# Altium PCB mantarray_beta2_sensor.PcbDoc (part 3 of 5)
Units mm, origin at the board's own origin, x right, y up, seen from the top; angles counter-clockwise.
Board outline 194.65 x 250 mm, 6 copper layers (Top Layer, GND1, Signal1, Int3 (Sign), AVDD, Bottom Layer), stack 1.551 mm thick; 528 components, 0 nets, 3971 pads, 590 vias.
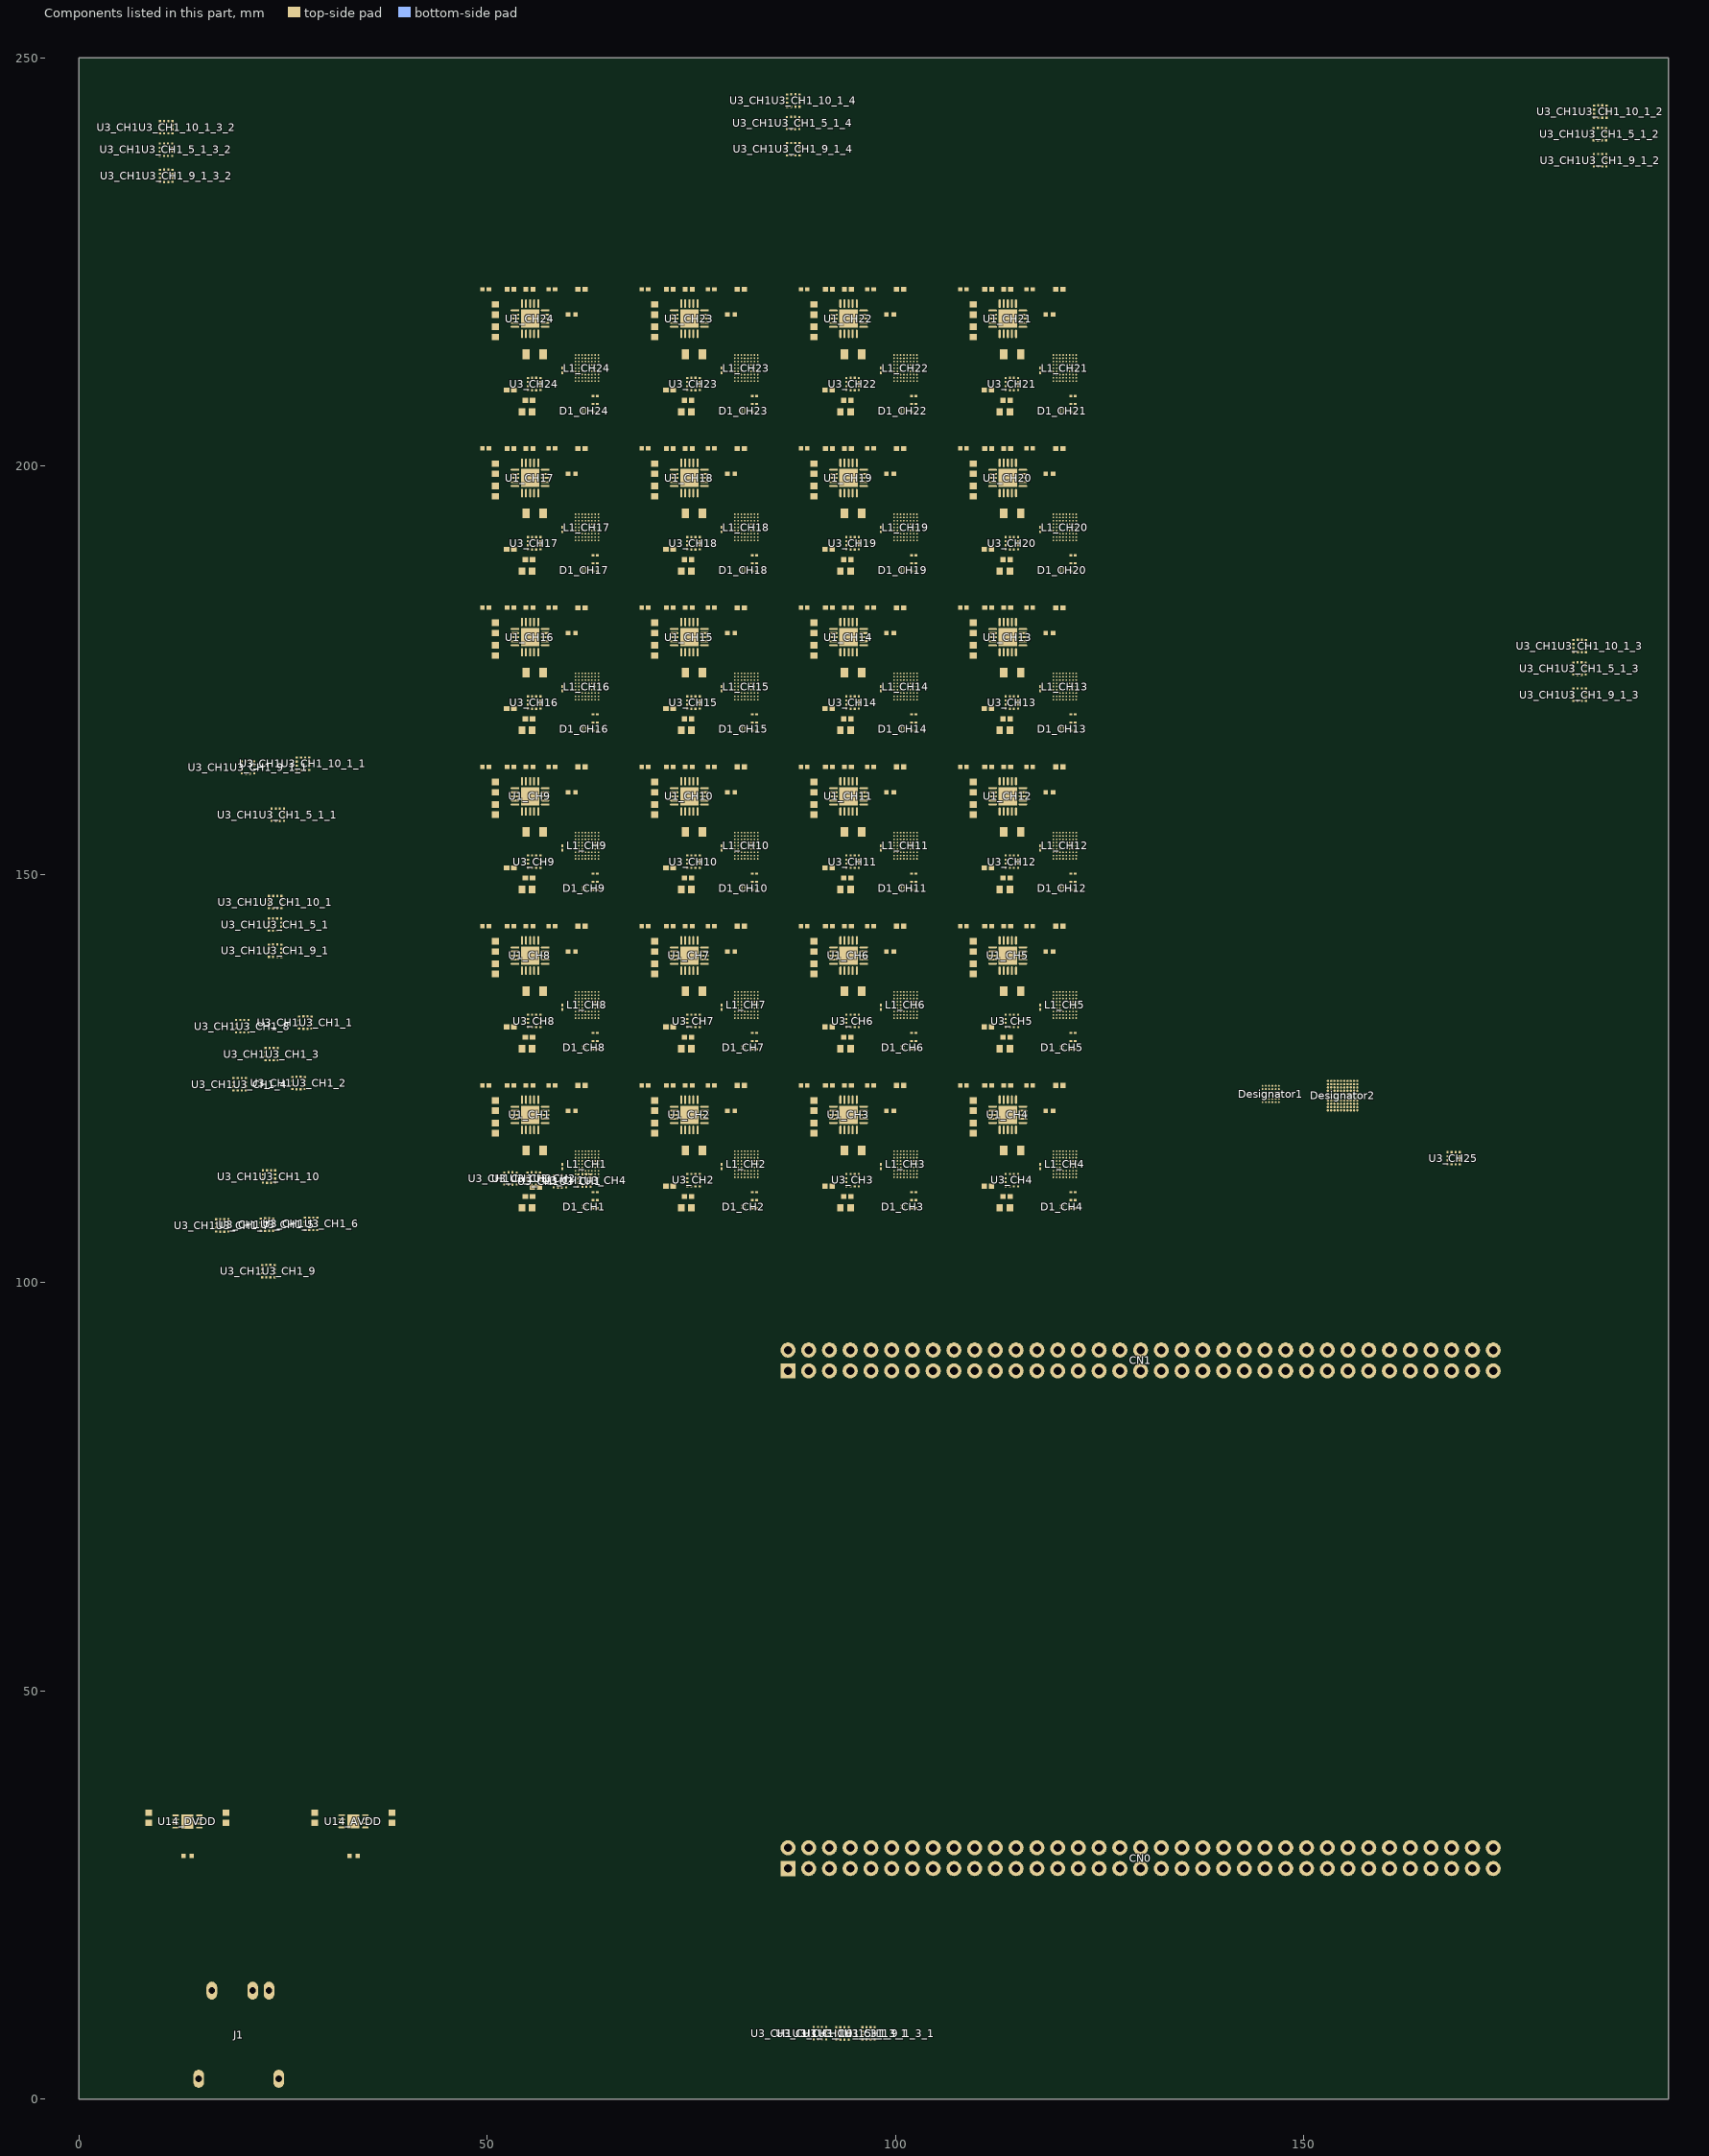
[diagram p6: the components of this part, seen from the top]

## Via types
v1: diameter 0.508, hole 0.203, Top Layer to Bottom Layer, 292 vias
v2: diameter 0.457, hole 0.152, Top Layer to Bottom Layer, 196 vias
v3: diameter 0.5, hole 0.2, Top Layer to Bottom Layer, 100 vias
v4: diameter 1.8, hole 1.2, Top Layer to Bottom Layer, 2 vias

## Nets (pads, with @x,y where several pads share a name; then routed paths per layer and width w, separated by ;. In a path a pad name is that pad's centre, name@x,y a point inside that pad or via, vN(x,y) a via of type N, cw(c..) or ccw(c..) an arc to the next point about the centre after c; other vN are vias at no path point)
pads on no net: C1_CH1.1 C1_CH1.2 C1_CH2.1 C1_CH2.2 C1_CH3.1 C1_CH3.2 C1_CH4.1 C1_CH4.2 C1_CH5.1 C1_CH5.2 C1_CH6.1 C1_CH6.2 C1_CH7.1 C1_CH7.2 C1_CH8.1 C1_CH8.2 C1_CH9.1 C1_CH9.2 C1_CH10.1 C1_CH10.2 C1_CH11.1 C1_CH11.2 C1_CH12.1 C1_CH12.2 C1_CH13.1 C1_CH13.2 C1_CH14.1 C1_CH14.2 C1_CH15.1 C1_CH15.2 C1_CH16.1 C1_CH16.2 C1_CH17.1 C1_CH17.2 C1_CH18.1 C1_CH18.2 C1_CH19.1 C1_CH19.2 C1_CH20.1 C1_CH20.2 C1_CH21.1 C1_CH21.2 C1_CH22.1 C1_CH22.2 C1_CH23.1 C1_CH23.2 C1_CH24.1 C1_CH24.2 C2_CH1.1 C2_CH1.2 C2_CH2.1 C2_CH2.2 C2_CH3.1 C2_CH3.2 C2_CH4.1 C2_CH4.2 C2_CH5.1 C2_CH5.2 C2_CH6.1 C2_CH6.2 C2_CH7.1 C2_CH7.2 C2_CH8.1 C2_CH8.2 C2_CH9.1 C2_CH9.2 C2_CH10.1 C2_CH10.2 C2_CH11.1 C2_CH11.2 C2_CH12.1 C2_CH12.2 C2_CH13.1 C2_CH13.2 C2_CH14.1 C2_CH14.2 C2_CH15.1 C2_CH15.2 C2_CH16.1 C2_CH16.2 C2_CH17.1 C2_CH17.2 C2_CH18.1 C2_CH18.2 C2_CH19.1 C2_CH19.2 C2_CH20.1 C2_CH20.2 C2_CH21.1 C2_CH21.2 C2_CH22.1 C2_CH22.2 C2_CH23.1 C2_CH23.2 C2_CH24.1 C2_CH24.2 C3_CH1.1 C3_CH1.2 C3_CH2.1 C3_CH2.2 C3_CH3.1 C3_CH3.2 C3_CH4.1 C3_CH4.2 C3_CH5.1 C3_CH5.2 C3_CH6.1 C3_CH6.2 C3_CH7.1 C3_CH7.2 C3_CH8.1 C3_CH8.2 C3_CH9.1 C3_CH9.2 C3_CH10.1 C3_CH10.2 C3_CH11.1 C3_CH11.2 C3_CH12.1 C3_CH12.2 C3_CH13.1 C3_CH13.2 C3_CH14.1 C3_CH14.2 C3_CH15.1 C3_CH15.2 C3_CH16.1 C3_CH16.2 C3_CH17.1 C3_CH17.2 C3_CH18.1 C3_CH18.2 C3_CH19.1 C3_CH19.2 C3_CH20.1 C3_CH20.2 C3_CH21.1 C3_CH21.2 C3_CH22.1 C3_CH22.2 C3_CH23.1 C3_CH23.2 C3_CH24.1 C3_CH24.2 C4_CH1.1 C4_CH1.2 C4_CH2.1 C4_CH2.2 C4_CH3.1 C4_CH3.2 C4_CH4.1 C4_CH4.2 C4_CH5.1 C4_CH5.2 C4_CH6.1 C4_CH6.2 C4_CH7.1 C4_CH7.2 C4_CH8.1 C4_CH8.2 C4_CH9.1 C4_CH9.2 C4_CH10.1 C4_CH10.2 C4_CH11.1 C4_CH11.2 C4_CH12.1 C4_CH12.2 C4_CH13.1 C4_CH13.2 C4_CH14.1 C4_CH14.2 C4_CH15.1 C4_CH15.2 C4_CH16.1 C4_CH16.2 C4_CH17.1 C4_CH17.2 C4_CH18.1 C4_CH18.2 C4_CH19.1 C4_CH19.2 C4_CH20.1 C4_CH20.2 C4_CH21.1 C4_CH21.2 C4_CH22.1 C4_CH22.2 C4_CH23.1 C4_CH23.2 C4_CH24.1 C4_CH24.2 C5_CH1.1 C5_CH1.2 C5_CH2.1 C5_CH2.2 C5_CH3.1 C5_CH3.2 C5_CH4.1 C5_CH4.2 C5_CH5.1 C5_CH5.2 C5_CH6.1 C5_CH6.2 C5_CH7.1 C5_CH7.2 C5_CH8.1 C5_CH8.2 C5_CH9.1 C5_CH9.2 C5_CH10.1 C5_CH10.2 C5_CH11.1 C5_CH11.2 C5_CH12.1 C5_CH12.2 C5_CH13.1 C5_CH13.2 C5_CH14.1 C5_CH14.2 C5_CH15.1 C5_CH15.2 C5_CH16.1 C5_CH16.2 C5_CH17.1 C5_CH17.2 C5_CH18.1 C5_CH18.2 C5_CH19.1 C5_CH19.2 C5_CH20.1 C5_CH20.2 C5_CH21.1 C5_CH21.2 C5_CH22.1 C5_CH22.2 C5_CH23.1 C5_CH23.2 C5_CH24.1 C5_CH24.2 C6_CH1.1 C6_CH1.2 C6_CH2.1 C6_CH2.2 C6_CH3.1 C6_CH3.2 C6_CH4.1 C6_CH4.2 C6_CH5.1 C6_CH5.2 C6_CH6.1 C6_CH6.2 C6_CH7.1 C6_CH7.2 C6_CH8.1 C6_CH8.2 C6_CH9.1 C6_CH9.2 C6_CH10.1 C6_CH10.2 C6_CH11.1 C6_CH11.2 C6_CH12.1 C6_CH12.2 C6_CH13.1 C6_CH13.2 C6_CH14.1 C6_CH14.2 C6_CH15.1 C6_CH15.2 C6_CH16.1 C6_CH16.2 C6_CH17.1 C6_CH17.2 C6_CH18.1 C6_CH18.2 C6_CH19.1 C6_CH19.2 C6_CH20.1 C6_CH20.2 C6_CH21.1 C6_CH21.2 C6_CH22.1 C6_CH22.2 C6_CH23.1 C6_CH23.2 C6_CH24.1 C6_CH24.2 C7_CH1.1 C7_CH1.2 C7_CH2.1 C7_CH2.2 C7_CH3.1 C7_CH3.2 C7_CH4.1 C7_CH4.2 C7_CH5.1 C7_CH5.2 C7_CH6.1 C7_CH6.2 C7_CH7.1 C7_CH7.2 C7_CH8.1 C7_CH8.2 C7_CH9.1 C7_CH9.2 C7_CH10.1 C7_CH10.2 C7_CH11.1 C7_CH11.2 C7_CH12.1 C7_CH12.2 C7_CH13.1 C7_CH13.2 C7_CH14.1 C7_CH14.2 C7_CH15.1 C7_CH15.2 C7_CH16.1 C7_CH16.2 C7_CH17.1 C7_CH17.2 C7_CH18.1 C7_CH18.2 C7_CH19.1 C7_CH19.2 C7_CH20.1 C7_CH20.2 C7_CH21.1 C7_CH21.2 C7_CH22.1 C7_CH22.2 C7_CH23.1 C7_CH23.2 C7_CH24.1 C7_CH24.2 C8_CH1.1 C8_CH1.2 C8_CH2.1 C8_CH2.2 C8_CH3.1 C8_CH3.2 C8_CH4.1 C8_CH4.2 C8_CH5.1 C8_CH5.2 C8_CH6.1 C8_CH6.2 C8_CH7.1 C8_CH7.2 C8_CH8.1 C8_CH8.2 C8_CH9.1 C8_CH9.2 C8_CH10.1 C8_CH10.2 C8_CH11.1 C8_CH11.2 C8_CH12.1 C8_CH12.2 C8_CH13.1 C8_CH13.2 C8_CH14.1 C8_CH14.2 C8_CH15.1 C8_CH15.2 C8_CH16.1 C8_CH16.2 C8_CH17.1 C8_CH17.2 C8_CH18.1 C8_CH18.2 C8_CH19.1 C8_CH19.2 C8_CH20.1 C8_CH20.2 C8_CH21.1 C8_CH21.2 C8_CH22.1 C8_CH22.2 C8_CH23.1 C8_CH23.2 C8_CH24.1 C8_CH24.2 C71_AVDD.1 C71_AVDD.2 C71_DVDD.1 C71_DVDD.2 C72_AVDD.1 C72_AVDD.2 C72_DVDD.1 C72_DVDD.2 C73_AVDD.1 C73_AVDD.2 C73_DVDD.1 C73_DVDD.2 CN0.1 CN0.2 CN0.3 CN0.4 CN0.5 CN0.6 CN0.7 CN0.8 CN0.9 CN0.10 CN0.11 CN0.12 CN0.13 CN0.14 CN0.15 CN0.16 CN0.17 CN0.18 CN0.19 CN0.20 CN0.21 CN0.22 CN0.23 CN0.24 CN0.25 CN0.26 CN0.27 CN0.28 CN0.29 CN0.30 CN0.31 CN0.32 CN0.33 CN0.34 CN0.35 CN0.36 CN0.37 CN0.38 CN0.39 CN0.40 CN0.41 CN0.42 CN0.43 CN0.44 CN0.45 CN0.46 CN0.47 CN0.48 CN0.49 CN0.50 CN0.51 CN0.52 CN0.53 CN0.54 CN0.55 CN0.56 CN0.57 CN0.58 CN0.59 CN0.60 CN0.61 CN0.62 CN0.63 CN0.64 CN0.65 CN0.66 CN0.67 CN0.68 CN0.69 CN0.70 CN1.1 CN1.2 CN1.3 CN1.4 CN1.5 CN1.6 CN1.7 CN1.8 CN1.9 CN1.10 CN1.11 CN1.12 CN1.13 CN1.14 CN1.15 CN1.16 CN1.17 CN1.18 CN1.19 CN1.20 CN1.21 CN1.22 CN1.23 CN1.24 CN1.25 CN1.26 CN1.27 CN1.28 CN1.29 CN1.30 CN1.31 CN1.32 CN1.33 CN1.34 CN1.35 CN1.36 CN1.37 CN1.38 CN1.39 CN1.40 CN1.41 CN1.42 CN1.43 CN1.44 CN1.45 CN1.46 CN1.47 CN1.48 CN1.49 CN1.50 CN1.51 CN1.52 CN1.53 CN1.54 CN1.55 CN1.56 CN1.57 CN1.58 CN1.59 CN1.60 CN1.61 CN1.62 CN1.63 CN1.64 CN1.65 CN1.66 CN1.67 CN1.68 CN1.69 CN1.70 D1_CH1.1 D1_CH1.2 D1_CH1.3 D1_CH1.4 D1_CH2.1 D1_CH2.2 D1_CH2.3 D1_CH2.4 D1_CH3.1 D1_CH3.2 D1_CH3.3 D1_CH3.4 D1_CH4.1 D1_CH4.2 D1_CH4.3 D1_CH4.4 D1_CH5.1 D1_CH5.2 D1_CH5.3 D1_CH5.4 D1_CH6.1 D1_CH6.2 D1_CH6.3 D1_CH6.4 D1_CH7.1 D1_CH7.2 D1_CH7.3 D1_CH7.4 D1_CH8.1 D1_CH8.2 D1_CH8.3 D1_CH8.4 D1_CH9.1 D1_CH9.2 D1_CH9.3 D1_CH9.4 D1_CH10.1 D1_CH10.2 D1_CH10.3 D1_CH10.4 D1_CH11.1 D1_CH11.2 D1_CH11.3 D1_CH11.4 D1_CH12.1 D1_CH12.2 D1_CH12.3 D1_CH12.4 D1_CH13.1 D1_CH13.2 D1_CH13.3 D1_CH13.4 D1_CH14.1 D1_CH14.2 D1_CH14.3 D1_CH14.4 D1_CH15.1 D1_CH15.2 D1_CH15.3 D1_CH15.4 D1_CH16.1 D1_CH16.2 D1_CH16.3 D1_CH16.4 D1_CH17.1 D1_CH17.2 D1_CH17.3 D1_CH17.4 D1_CH18.1 D1_CH18.2 D1_CH18.3 D1_CH18.4 D1_CH19.1 D1_CH19.2 D1_CH19.3 D1_CH19.4 D1_CH20.1 D1_CH20.2 D1_CH20.3 D1_CH20.4 D1_CH21.1 D1_CH21.2 D1_CH21.3 D1_CH21.4 D1_CH22.1 D1_CH22.2 D1_CH22.3 D1_CH22.4 D1_CH23.1 D1_CH23.2 D1_CH23.3 D1_CH23.4 D1_CH24.1 D1_CH24.2 D1_CH24.3 D1_CH24.4 Designator1.A1 Designator1.A2 Designator1.A3 Designator1.A4 Designator1.A5 Designator1.A6 Designator1.B1 Designator1.B2 Designator1.B3 Designator1.B4 Designator1.B5 Designator1.B6 Designator1.C1 Designator1.C2 Designator1.C3 Designator1.C4 Designator1.C5 Designator1.C6 Designator1.D1 Designator1.D2 Designator1.D3 Designator1.D4 Designator1.D5 Designator1.D6 Designator1.E1 Designator1.E2 Designator1.E3 Designator1.E4 Designator1.E5 Designator1.E6 Designator1.F1 Designator1.F2 Designator1.F3 Designator1.F4 Designator1.F5 Designator1.F6 Designator2.A1 Designator2.A2 Designator2.A3 Designator2.A4 Designator2.A5 Designator2.A6 Designator2.A7 Designator2.A8 Designator2.A9 Designator2.A10 Designator2.B1 Designator2.B2 Designator2.B3 Designator2.B4 Designator2.B5 Designator2.B6 Designator2.B7 Designator2.B8 Designator2.B9 Designator2.B10 Designator2.C1 Designator2.C2 Designator2.C3 Designator2.C4 Designator2.C5 Designator2.C6 Designator2.C7 Designator2.C8 Designator2.C9 Designator2.C10 Designator2.D1 Designator2.D2 Designator2.D3 Designator2.D4 Designator2.D5 Designator2.D6 Designator2.D7 Designator2.D8 Designator2.D9 Designator2.D10 Designator2.E1 Designator2.E2 Designator2.E3 Designator2.E4 Designator2.E5 Designator2.E6 Designator2.E7 Designator2.E8 Designator2.E9 Designator2.E10 Designator2.F1 Designator2.F2 Designator2.F3 Designator2.F4 Designator2.F5 Designator2.F6 Designator2.F7 Designator2.F8 Designator2.F9 Designator2.F10 Designator2.G1 Designator2.G2 Designator2.G3 Designator2.G4 Designator2.G5 Designator2.G6 Designator2.G7 Designator2.G8 Designator2.G9 Designator2.G10 Designator2.H1 Designator2.H2 Designator2.H3 Designator2.H4 Designator2.H5 Designator2.H6 Designator2.H7 Designator2.H8 Designator2.H9 Designator2.H10 Designator2.J1 Designator2.J2 Designator2.J3 Designator2.J4 Designator2.J5 Designator2.J6 Designator2.J7 Designator2.J8 Designator2.J9 Designator2.J10 Designator2.K1 Designator2.K2 Designator2.K3 Designator2.K4 Designator2.K5 Designator2.K6 Designator2.K7 Designator2.K8 Designator2.K9 Designator2.K10 J1. J1.1 J1.2 J1.3 L1_CH1.A1 L1_CH1.A2 L1_CH1.A3 L1_CH1.A4 L1_CH1.A5 L1_CH1.A6 L1_CH1.A7 L1_CH1.A8 L1_CH1.B1 L1_CH1.B2 L1_CH1.B3 L1_CH1.B4 L1_CH1.B5 L1_CH1.B6 L1_CH1.B7 L1_CH1.B8 L1_CH1.C1 L1_CH1.C2 L1_CH1.C3 L1_CH1.C4 L1_CH1.C5 L1_CH1.C6 L1_CH1.C7 L1_CH1.C8 L1_CH1.D1 L1_CH1.D2 L1_CH1.D3 L1_CH1.D6 L1_CH1.D7 L1_CH1.D8 L1_CH1.E1 L1_CH1.E2 L1_CH1.E3 L1_CH1.E6 L1_CH1.E7 L1_CH1.E8 L1_CH1.F1 L1_CH1.F2 L1_CH1.F3 L1_CH1.F6 L1_CH1.F7 L1_CH1.F8 L1_CH1.G1 L1_CH1.G2 L1_CH1.G3 L1_CH1.G4 L1_CH1.G5 L1_CH1.G6 L1_CH1.G7 L1_CH1.G8 L1_CH1.H1 L1_CH1.H2 L1_CH1.H3 L1_CH1.H4 L1_CH1.H5 L1_CH1.H6 L1_CH1.H7 L1_CH1.H8 L1_CH1.J1 L1_CH1.J2 L1_CH1.J3 L1_CH1.J4 L1_CH1.J5 L1_CH1.J6 L1_CH1.J7 L1_CH1.J8 L1_CH2.A1 L1_CH2.A2 L1_CH2.A3 L1_CH2.A4 L1_CH2.A5 L1_CH2.A6 L1_CH2.A7 L1_CH2.A8 L1_CH2.B1 L1_CH2.B2 L1_CH2.B3 L1_CH2.B4 L1_CH2.B5 L1_CH2.B6 L1_CH2.B7 L1_CH2.B8 L1_CH2.C1 L1_CH2.C2 L1_CH2.C3 L1_CH2.C4 L1_CH2.C5 L1_CH2.C6 L1_CH2.C7 L1_CH2.C8 L1_CH2.D1 L1_CH2.D2 L1_CH2.D3 L1_CH2.D6 L1_CH2.D7 L1_CH2.D8 L1_CH2.E1 L1_CH2.E2 L1_CH2.E3 L1_CH2.E6 L1_CH2.E7 L1_CH2.E8 L1_CH2.F1 L1_CH2.F2 L1_CH2.F3 L1_CH2.F6 L1_CH2.F7 L1_CH2.F8 L1_CH2.G1 L1_CH2.G2 L1_CH2.G3 L1_CH2.G4 L1_CH2.G5 L1_CH2.G6 L1_CH2.G7 L1_CH2.G8 L1_CH2.H1 L1_CH2.H2 L1_CH2.H3 L1_CH2.H4 L1_CH2.H5 L1_CH2.H6 L1_CH2.H7 L1_CH2.H8 L1_CH2.J1 L1_CH2.J2 L1_CH2.J3 L1_CH2.J4 L1_CH2.J5 L1_CH2.J6 L1_CH2.J7 L1_CH2.J8 L1_CH3.A1 L1_CH3.A2 L1_CH3.A3 L1_CH3.A4 L1_CH3.A5 L1_CH3.A6 L1_CH3.A7 L1_CH3.A8 L1_CH3.B1 L1_CH3.B2 L1_CH3.B3 L1_CH3.B4 L1_CH3.B5 L1_CH3.B6 L1_CH3.B7 L1_CH3.B8 L1_CH3.C1 L1_CH3.C2 L1_CH3.C3 L1_CH3.C4 L1_CH3.C5 L1_CH3.C6 L1_CH3.C7 L1_CH3.C8 L1_CH3.D1 L1_CH3.D2 L1_CH3.D3 L1_CH3.D6 L1_CH3.D7 L1_CH3.D8 L1_CH3.E1 L1_CH3.E2 L1_CH3.E3 L1_CH3.E6 L1_CH3.E7 L1_CH3.E8 L1_CH3.F1 L1_CH3.F2 L1_CH3.F3 L1_CH3.F6 L1_CH3.F7 L1_CH3.F8 L1_CH3.G1 L1_CH3.G2 L1_CH3.G3 L1_CH3.G4 L1_CH3.G5 L1_CH3.G6 L1_CH3.G7 L1_CH3.G8 L1_CH3.H1 L1_CH3.H2 L1_CH3.H3 L1_CH3.H4 L1_CH3.H5 L1_CH3.H6 L1_CH3.H7 L1_CH3.H8 L1_CH3.J1 L1_CH3.J2 L1_CH3.J3 L1_CH3.J4 L1_CH3.J5 L1_CH3.J6 L1_CH3.J7 L1_CH3.J8 L1_CH4.A1 L1_CH4.A2 L1_CH4.A3 L1_CH4.A4 L1_CH4.A5 L1_CH4.A6 L1_CH4.A7 L1_CH4.A8 L1_CH4.B1 L1_CH4.B2 L1_CH4.B3 L1_CH4.B4 L1_CH4.B5 L1_CH4.B6 L1_CH4.B7 L1_CH4.B8 L1_CH4.C1 L1_CH4.C2 L1_CH4.C3 L1_CH4.C4 L1_CH4.C5 L1_CH4.C6 L1_CH4.C7 L1_CH4.C8 L1_CH4.D1 L1_CH4.D2 L1_CH4.D3 L1_CH4.D6 L1_CH4.D7 L1_CH4.D8 L1_CH4.E1 L1_CH4.E2 L1_CH4.E3 L1_CH4.E6 L1_CH4.E7 L1_CH4.E8 L1_CH4.F1 L1_CH4.F2 L1_CH4.F3 L1_CH4.F6 L1_CH4.F7 L1_CH4.F8 L1_CH4.G1 L1_CH4.G2 L1_CH4.G3 L1_CH4.G4 L1_CH4.G5 L1_CH4.G6 L1_CH4.G7 L1_CH4.G8 L1_CH4.H1 L1_CH4.H2 L1_CH4.H3 L1_CH4.H4 L1_CH4.H5 L1_CH4.H6 L1_CH4.H7 L1_CH4.H8 L1_CH4.J1 L1_CH4.J2 L1_CH4.J3 L1_CH4.J4 L1_CH4.J5 L1_CH4.J6 L1_CH4.J7 L1_CH4.J8 L1_CH5.A1 L1_CH5.A2 L1_CH5.A3 L1_CH5.A4 L1_CH5.A5 L1_CH5.A6 L1_CH5.A7 L1_CH5.A8 L1_CH5.B1 L1_CH5.B2 L1_CH5.B3 L1_CH5.B4 L1_CH5.B5 L1_CH5.B6 L1_CH5.B7 L1_CH5.B8 L1_CH5.C1 L1_CH5.C2 L1_CH5.C3 L1_CH5.C4 L1_CH5.C5 L1_CH5.C6 L1_CH5.C7 L1_CH5.C8 L1_CH5.D1 L1_CH5.D2 L1_CH5.D3 L1_CH5.D6 L1_CH5.D7 L1_CH5.D8 L1_CH5.E1 L1_CH5.E2 L1_CH5.E3 L1_CH5.E6 L1_CH5.E7 L1_CH5.E8 L1_CH5.F1 L1_CH5.F2 L1_CH5.F3 L1_CH5.F6 L1_CH5.F7 L1_CH5.F8 L1_CH5.G1 L1_CH5.G2 L1_CH5.G3 L1_CH5.G4 L1_CH5.G5 L1_CH5.G6 L1_CH5.G7 L1_CH5.G8 L1_CH5.H1 L1_CH5.H2 L1_CH5.H3 L1_CH5.H4 L1_CH5.H5 L1_CH5.H6 L1_CH5.H7 L1_CH5.H8 L1_CH5.J1 L1_CH5.J2 L1_CH5.J3 L1_CH5.J4 L1_CH5.J5 L1_CH5.J6 L1_CH5.J7 L1_CH5.J8 L1_CH6.A1 L1_CH6.A2 L1_CH6.A3 L1_CH6.A4 L1_CH6.A5 L1_CH6.A6 L1_CH6.A7 L1_CH6.A8 L1_CH6.B1 L1_CH6.B2 L1_CH6.B3 L1_CH6.B4 L1_CH6.B5 L1_CH6.B6 L1_CH6.B7 L1_CH6.B8 L1_CH6.C1 L1_CH6.C2 L1_CH6.C3 L1_CH6.C4 L1_CH6.C5 L1_CH6.C6 L1_CH6.C7 L1_CH6.C8 L1_CH6.D1 L1_CH6.D2 L1_CH6.D3 L1_CH6.D6 L1_CH6.D7 L1_CH6.D8 L1_CH6.E1 L1_CH6.E2 L1_CH6.E3 L1_CH6.E6 L1_CH6.E7 L1_CH6.E8 L1_CH6.F1 L1_CH6.F2 L1_CH6.F3 L1_CH6.F6 L1_CH6.F7 L1_CH6.F8 L1_CH6.G1 L1_CH6.G2 L1_CH6.G3 L1_CH6.G4 L1_CH6.G5 L1_CH6.G6 L1_CH6.G7 L1_CH6.G8 L1_CH6.H1 L1_CH6.H2 L1_CH6.H3 L1_CH6.H4 L1_CH6.H5 L1_CH6.H6 L1_CH6.H7 L1_CH6.H8 L1_CH6.J1 L1_CH6.J2 L1_CH6.J3 L1_CH6.J4 L1_CH6.J5 L1_CH6.J6 L1_CH6.J7 L1_CH6.J8 L1_CH7.A1 L1_CH7.A2 L1_CH7.A3 L1_CH7.A4 L1_CH7.A5 L1_CH7.A6 L1_CH7.A7 L1_CH7.A8 L1_CH7.B1 L1_CH7.B2 L1_CH7.B3 L1_CH7.B4 L1_CH7.B5 L1_CH7.B6 L1_CH7.B7 L1_CH7.B8 L1_CH7.C1 L1_CH7.C2 L1_CH7.C3 L1_CH7.C4 L1_CH7.C5 L1_CH7.C6 L1_CH7.C7 L1_CH7.C8 L1_CH7.D1 L1_CH7.D2 L1_CH7.D3 L1_CH7.D6 L1_CH7.D7 L1_CH7.D8 L1_CH7.E1 L1_CH7.E2 L1_CH7.E3 L1_CH7.E6 L1_CH7.E7 L1_CH7.E8 L1_CH7.F1 L1_CH7.F2 L1_CH7.F3 L1_CH7.F6 L1_CH7.F7 L1_CH7.F8 L1_CH7.G1 L1_CH7.G2 L1_CH7.G3 L1_CH7.G4 L1_CH7.G5 L1_CH7.G6 L1_CH7.G7 L1_CH7.G8 L1_CH7.H1 L1_CH7.H2 L1_CH7.H3 L1_CH7.H4 L1_CH7.H5 L1_CH7.H6 L1_CH7.H7 L1_CH7.H8 L1_CH7.J1 L1_CH7.J2 L1_CH7.J3 L1_CH7.J4 L1_CH7.J5 L1_CH7.J6 L1_CH7.J7 L1_CH7.J8 L1_CH8.A1 L1_CH8.A2 L1_CH8.A3 L1_CH8.A4 L1_CH8.A5 L1_CH8.A6 L1_CH8.A7 L1_CH8.A8 L1_CH8.B1 L1_CH8.B2 L1_CH8.B3 L1_CH8.B4 L1_CH8.B5 L1_CH8.B6 L1_CH8.B7 L1_CH8.B8 L1_CH8.C1 L1_CH8.C2 L1_CH8.C3 L1_CH8.C4 L1_CH8.C5 L1_CH8.C6 L1_CH8.C7 L1_CH8.C8 L1_CH8.D1 L1_CH8.D2 L1_CH8.D3 L1_CH8.D6 L1_CH8.D7 L1_CH8.D8 L1_CH8.E1 L1_CH8.E2 L1_CH8.E3 L1_CH8.E6 L1_CH8.E7 L1_CH8.E8 L1_CH8.F1 L1_CH8.F2 L1_CH8.F3 L1_CH8.F6 L1_CH8.F7 L1_CH8.F8 L1_CH8.G1 L1_CH8.G2 L1_CH8.G3 L1_CH8.G4 L1_CH8.G5 L1_CH8.G6 L1_CH8.G7 L1_CH8.G8 L1_CH8.H1 L1_CH8.H2 L1_CH8.H3 L1_CH8.H4 L1_CH8.H5 L1_CH8.H6 L1_CH8.H7 L1_CH8.H8 L1_CH8.J1 L1_CH8.J2 L1_CH8.J3 L1_CH8.J4 L1_CH8.J5 L1_CH8.J6 L1_CH8.J7 L1_CH8.J8 L1_CH9.A1 L1_CH9.A2 L1_CH9.A3 L1_CH9.A4 L1_CH9.A5 L1_CH9.A6 L1_CH9.A7 L1_CH9.A8 L1_CH9.B1 L1_CH9.B2 L1_CH9.B3 L1_CH9.B4 L1_CH9.B5 L1_CH9.B6 L1_CH9.B7 L1_CH9.B8 L1_CH9.C1 L1_CH9.C2 L1_CH9.C3 L1_CH9.C4 L1_CH9.C5 L1_CH9.C6 L1_CH9.C7 L1_CH9.C8 L1_CH9.D1 L1_CH9.D2 L1_CH9.D3 L1_CH9.D6 L1_CH9.D7 L1_CH9.D8 L1_CH9.E1 L1_CH9.E2 L1_CH9.E3 L1_CH9.E6 L1_CH9.E7 L1_CH9.E8 L1_CH9.F1 L1_CH9.F2 L1_CH9.F3 L1_CH9.F6 L1_CH9.F7 L1_CH9.F8 L1_CH9.G1 L1_CH9.G2 L1_CH9.G3 L1_CH9.G4 L1_CH9.G5 L1_CH9.G6 L1_CH9.G7 L1_CH9.G8 L1_CH9.H1 L1_CH9.H2 L1_CH9.H3 L1_CH9.H4 L1_CH9.H5 L1_CH9.H6 L1_CH9.H7 L1_CH9.H8 L1_CH9.J1 L1_CH9.J2 L1_CH9.J3 L1_CH9.J4 L1_CH9.J5 L1_CH9.J6 L1_CH9.J7 L1_CH9.J8 L1_CH10.A1 L1_CH10.A2 L1_CH10.A3 L1_CH10.A4 L1_CH10.A5 L1_CH10.A6 L1_CH10.A7 L1_CH10.A8 L1_CH10.B1 L1_CH10.B2 L1_CH10.B3 L1_CH10.B4 L1_CH10.B5 L1_CH10.B6 L1_CH10.B7 L1_CH10.B8 L1_CH10.C1 L1_CH10.C2 L1_CH10.C3 L1_CH10.C4 L1_CH10.C5 L1_CH10.C6 L1_CH10.C7 L1_CH10.C8 L1_CH10.D1 L1_CH10.D2 L1_CH10.D3 L1_CH10.D6 L1_CH10.D7 L1_CH10.D8 L1_CH10.E1 L1_CH10.E2 L1_CH10.E3 L1_CH10.E6 L1_CH10.E7 L1_CH10.E8 L1_CH10.F1 L1_CH10.F2 L1_CH10.F3 L1_CH10.F6 L1_CH10.F7 L1_CH10.F8 L1_CH10.G1 L1_CH10.G2 L1_CH10.G3 L1_CH10.G4 L1_CH10.G5 L1_CH10.G6 L1_CH10.G7 L1_CH10.G8 L1_CH10.H1 L1_CH10.H2 L1_CH10.H3 L1_CH10.H4 L1_CH10.H5 L1_CH10.H6 L1_CH10.H7 L1_CH10.H8 L1_CH10.J1 L1_CH10.J2 L1_CH10.J3 L1_CH10.J4 L1_CH10.J5 L1_CH10.J6 L1_CH10.J7 L1_CH10.J8 L1_CH11.A1 L1_CH11.A2 L1_CH11.A3 L1_CH11.A4 L1_CH11.A5 L1_CH11.A6 L1_CH11.A7 L1_CH11.A8 L1_CH11.B1 L1_CH11.B2 L1_CH11.B3 L1_CH11.B4 L1_CH11.B5 L1_CH11.B6 L1_CH11.B7 L1_CH11.B8 L1_CH11.C1 L1_CH11.C2 L1_CH11.C3 L1_CH11.C4 L1_CH11.C5 L1_CH11.C6 L1_CH11.C7 L1_CH11.C8 L1_CH11.D1 L1_CH11.D2 L1_CH11.D3 L1_CH11.D6 L1_CH11.D7 L1_CH11.D8 L1_CH11.E1 L1_CH11.E2 L1_CH11.E3 L1_CH11.E6 L1_CH11.E7 L1_CH11.E8 L1_CH11.F1 L1_CH11.F2 L1_CH11.F3 L1_CH11.F6 L1_CH11.F7 L1_CH11.F8 L1_CH11.G1 L1_CH11.G2 L1_CH11.G3 L1_CH11.G4 L1_CH11.G5 L1_CH11.G6 L1_CH11.G7 L1_CH11.G8 L1_CH11.H1 L1_CH11.H2 L1_CH11.H3 L1_CH11.H4 L1_CH11.H5 L1_CH11.H6 L1_CH11.H7 L1_CH11.H8 L1_CH11.J1 L1_CH11.J2 L1_CH11.J3 L1_CH11.J4 L1_CH11.J5 L1_CH11.J6 L1_CH11.J7 L1_CH11.J8 L1_CH12.A1 L1_CH12.A2 L1_CH12.A3 L1_CH12.A4 L1_CH12.A5 L1_CH12.A6 L1_CH12.A7 L1_CH12.A8 L1_CH12.B1 L1_CH12.B2 L1_CH12.B3 L1_CH12.B4 L1_CH12.B5 L1_CH12.B6 L1_CH12.B7 L1_CH12.B8 L1_CH12.C1 L1_CH12.C2 L1_CH12.C3 L1_CH12.C4 L1_CH12.C5 L1_CH12.C6 L1_CH12.C7 L1_CH12.C8 L1_CH12.D1 L1_CH12.D2 L1_CH12.D3 L1_CH12.D6 L1_CH12.D7 L1_CH12.D8 L1_CH12.E1 L1_CH12.E2 L1_CH12.E3 L1_CH12.E6 L1_CH12.E7 L1_CH12.E8 L1_CH12.F1 L1_CH12.F2 L1_CH12.F3 L1_CH12.F6 L1_CH12.F7 L1_CH12.F8 L1_CH12.G1 L1_CH12.G2 L1_CH12.G3 L1_CH12.G4 L1_CH12.G5 L1_CH12.G6 L1_CH12.G7 L1_CH12.G8 L1_CH12.H1 L1_CH12.H2 L1_CH12.H3 L1_CH12.H4 L1_CH12.H5 L1_CH12.H6 L1_CH12.H7 L1_CH12.H8 L1_CH12.J1 L1_CH12.J2 L1_CH12.J3 L1_CH12.J4 L1_CH12.J5 L1_CH12.J6 L1_CH12.J7 L1_CH12.J8 L1_CH13.A1 L1_CH13.A2 L1_CH13.A3 L1_CH13.A4 L1_CH13.A5 L1_CH13.A6 L1_CH13.A7 L1_CH13.A8 L1_CH13.B1 L1_CH13.B2 L1_CH13.B3 L1_CH13.B4 L1_CH13.B5 L1_CH13.B6 L1_CH13.B7 L1_CH13.B8 L1_CH13.C1 L1_CH13.C2 L1_CH13.C3 L1_CH13.C4 L1_CH13.C5 L1_CH13.C6 L1_CH13.C7 L1_CH13.C8 L1_CH13.D1 L1_CH13.D2 L1_CH13.D3 L1_CH13.D6 L1_CH13.D7 L1_CH13.D8 L1_CH13.E1 L1_CH13.E2 L1_CH13.E3 L1_CH13.E6 L1_CH13.E7 L1_CH13.E8 L1_CH13.F1 L1_CH13.F2 L1_CH13.F3 L1_CH13.F6 L1_CH13.F7 L1_CH13.F8 L1_CH13.G1 L1_CH13.G2 L1_CH13.G3 L1_CH13.G4 L1_CH13.G5 L1_CH13.G6 L1_CH13.G7 L1_CH13.G8 L1_CH13.H1 L1_CH13.H2 L1_CH13.H3 L1_CH13.H4 L1_CH13.H5 L1_CH13.H6 L1_CH13.H7 L1_CH13.H8 L1_CH13.J1 L1_CH13.J2 L1_CH13.J3 L1_CH13.J4 L1_CH13.J5 L1_CH13.J6 L1_CH13.J7 L1_CH13.J8 L1_CH14.A1 L1_CH14.A2 L1_CH14.A3 L1_CH14.A4 L1_CH14.A5 L1_CH14.A6 L1_CH14.A7 L1_CH14.A8 L1_CH14.B1 L1_CH14.B2 L1_CH14.B3 L1_CH14.B4 L1_CH14.B5 L1_CH14.B6 L1_CH14.B7 L1_CH14.B8 L1_CH14.C1 L1_CH14.C2 L1_CH14.C3 L1_CH14.C4 L1_CH14.C5 L1_CH14.C6 L1_CH14.C7 L1_CH14.C8 L1_CH14.D1 L1_CH14.D2 L1_CH14.D3 L1_CH14.D6 L1_CH14.D7 L1_CH14.D8 L1_CH14.E1 L1_CH14.E2 L1_CH14.E3 L1_CH14.E6 L1_CH14.E7 L1_CH14.E8 L1_CH14.F1 L1_CH14.F2 L1_CH14.F3 L1_CH14.F6 L1_CH14.F7 L1_CH14.F8 L1_CH14.G1 L1_CH14.G2 L1_CH14.G3 L1_CH14.G4 L1_CH14.G5 L1_CH14.G6 L1_CH14.G7 L1_CH14.G8 L1_CH14.H1 L1_CH14.H2 L1_CH14.H3 L1_CH14.H4 L1_CH14.H5 L1_CH14.H6 L1_CH14.H7 L1_CH14.H8 L1_CH14.J1 L1_CH14.J2 L1_CH14.J3 L1_CH14.J4 L1_CH14.J5 L1_CH14.J6 L1_CH14.J7 L1_CH14.J8 L1_CH15.A1 L1_CH15.A2 L1_CH15.A3 L1_CH15.A4 L1_CH15.A5 L1_CH15.A6 L1_CH15.A7 L1_CH15.A8 L1_CH15.B1 L1_CH15.B2 L1_CH15.B3 L1_CH15.B4 L1_CH15.B5 L1_CH15.B6 L1_CH15.B7 L1_CH15.B8 L1_CH15.C1 L1_CH15.C2 L1_CH15.C3 L1_CH15.C4 L1_CH15.C5 L1_CH15.C6 L1_CH15.C7 L1_CH15.C8 L1_CH15.D1 L1_CH15.D2 L1_CH15.D3 L1_CH15.D6 L1_CH15.D7 L1_CH15.D8 L1_CH15.E1 L1_CH15.E2 L1_CH15.E3 L1_CH15.E6 L1_CH15.E7 L1_CH15.E8 L1_CH15.F1 L1_CH15.F2 L1_CH15.F3 L1_CH15.F6 L1_CH15.F7 L1_CH15.F8 L1_CH15.G1 L1_CH15.G2 L1_CH15.G3 L1_CH15.G4 L1_CH15.G5 L1_CH15.G6 L1_CH15.G7 L1_CH15.G8 L1_CH15.H1 L1_CH15.H2 L1_CH15.H3 L1_CH15.H4 L1_CH15.H5 L1_CH15.H6 L1_CH15.H7 L1_CH15.H8 L1_CH15.J1 L1_CH15.J2 L1_CH15.J3 L1_CH15.J4 L1_CH15.J5 L1_CH15.J6 L1_CH15.J7 L1_CH15.J8 L1_CH16.A1 L1_CH16.A2 L1_CH16.A3 L1_CH16.A4 L1_CH16.A5 L1_CH16.A6 L1_CH16.A7 L1_CH16.A8 L1_CH16.B1 L1_CH16.B2 L1_CH16.B3 L1_CH16.B4 L1_CH16.B5 L1_CH16.B6 L1_CH16.B7 L1_CH16.B8 L1_CH16.C1 L1_CH16.C2 L1_CH16.C3 L1_CH16.C4 L1_CH16.C5 L1_CH16.C6 L1_CH16.C7 L1_CH16.C8 L1_CH16.D1 L1_CH16.D2 L1_CH16.D3 L1_CH16.D6 L1_CH16.D7 L1_CH16.D8 L1_CH16.E1 L1_CH16.E2 L1_CH16.E3 L1_CH16.E6 L1_CH16.E7 L1_CH16.E8 L1_CH16.F1 L1_CH16.F2 L1_CH16.F3 L1_CH16.F6 L1_CH16.F7 L1_CH16.F8 L1_CH16.G1 L1_CH16.G2 L1_CH16.G3 L1_CH16.G4 L1_CH16.G5 L1_CH16.G6 L1_CH16.G7 L1_CH16.G8 L1_CH16.H1 L1_CH16.H2 L1_CH16.H3 L1_CH16.H4 L1_CH16.H5 L1_CH16.H6 L1_CH16.H7 L1_CH16.H8 L1_CH16.J1 L1_CH16.J2 L1_CH16.J3 L1_CH16.J4 L1_CH16.J5 L1_CH16.J6 L1_CH16.J7 L1_CH16.J8 L1_CH17.A1 L1_CH17.A2 L1_CH17.A3 L1_CH17.A4 L1_CH17.A5 L1_CH17.A6 L1_CH17.A7 L1_CH17.A8 L1_CH17.B1 L1_CH17.B2 L1_CH17.B3 L1_CH17.B4 L1_CH17.B5 L1_CH17.B6 L1_CH17.B7 L1_CH17.B8 L1_CH17.C1 L1_CH17.C2 L1_CH17.C3 L1_CH17.C4 L1_CH17.C5 L1_CH17.C6 L1_CH17.C7 L1_CH17.C8 L1_CH17.D1 L1_CH17.D2 L1_CH17.D3 L1_CH17.D6 L1_CH17.D7 L1_CH17.D8 L1_CH17.E1 L1_CH17.E2 L1_CH17.E3 L1_CH17.E6 L1_CH17.E7 L1_CH17.E8 L1_CH17.F1 L1_CH17.F2 L1_CH17.F3 L1_CH17.F6 L1_CH17.F7 L1_CH17.F8 L1_CH17.G1 L1_CH17.G2 L1_CH17.G3 L1_CH17.G4 L1_CH17.G5 L1_CH17.G6 L1_CH17.G7 L1_CH17.G8 L1_CH17.H1 L1_CH17.H2 L1_CH17.H3 L1_CH17.H4 L1_CH17.H5 L1_CH17.H6 L1_CH17.H7 L1_CH17.H8 L1_CH17.J1 L1_CH17.J2 L1_CH17.J3 L1_CH17.J4 L1_CH17.J5 L1_CH17.J6 L1_CH17.J7 L1_CH17.J8 L1_CH18.A1 L1_CH18.A2 L1_CH18.A3 L1_CH18.A4 L1_CH18.A5 L1_CH18.A6 L1_CH18.A7 L1_CH18.A8 L1_CH18.B1 L1_CH18.B2 L1_CH18.B3 L1_CH18.B4 L1_CH18.B5 L1_CH18.B6 L1_CH18.B7 L1_CH18.B8 L1_CH18.C1 L1_CH18.C2 L1_CH18.C3 L1_CH18.C4 L1_CH18.C5 L1_CH18.C6 L1_CH18.C7 L1_CH18.C8 L1_CH18.D1 L1_CH18.D2 L1_CH18.D3 L1_CH18.D6 L1_CH18.D7 L1_CH18.D8 L1_CH18.E1 L1_CH18.E2 L1_CH18.E3 L1_CH18.E6 L1_CH18.E7 L1_CH18.E8 L1_CH18.F1 L1_CH18.F2 L1_CH18.F3 L1_CH18.F6 L1_CH18.F7 L1_CH18.F8 